# Allegro board LED_FIN.brd (continued)
## Placement (name value [footprint] x y rotation side) (continued)
D3058  0603_LED  [0603_SINGLE]  211.25 342 0 top
D3059  0603_LED  [0603_SINGLE]  213.25 342 0 top
D3060  0603_LED  [0603_SINGLE]  215.25 342 0 top
D3061  0603_LED  [0603_SINGLE]  157.25 340 0 top
D3062  0603_LED  [0603_SINGLE]  159.25 340 0 top
D3063  0603_LED  [0603_SINGLE]  161.25 340 0 top
D3064  0603_LED  [0603_SINGLE]  163.25 340 0 top
D3065  0603_LED  [0603_SINGLE]  165.25 340 0 top
D3066  0603_LED  [0603_SINGLE]  167.25 340 0 top
D3067  0603_LED  [0603_SINGLE]  169.25 340 0 top
D3068  0603_LED  [0603_SINGLE]  171.25 340 0 top
D3069  0603_LED  [0603_SINGLE]  173.25 340 0 top
D3070  0603_LED  [0603_SINGLE]  175.25 340 0 top
D3071  0603_LED  [0603_SINGLE]  177.25 340 0 top
D3072  0603_LED  [0603_SINGLE]  179.25 340 0 top
D3073  0603_LED  [0603_SINGLE]  181.25 340 0 top
D3074  0603_LED  [0603_SINGLE]  183.25 340 0 top
D3075  0603_LED  [0603_SINGLE]  185.25 340 0 top
D3076  0603_LED  [0603_SINGLE]  187.25 340 0 top
D3077  0603_LED  [0603_SINGLE]  189.25 340 0 top
D3078  0603_LED  [0603_SINGLE]  191.25 340 0 top
D3079  0603_LED  [0603_SINGLE]  193.25 340 0 top
D3080  0603_LED  [0603_SINGLE]  195.25 340 0 top
D3081  0603_LED  [0603_SINGLE]  197.25 340 0 top
D3082  0603_LED  [0603_SINGLE]  199.25 340 0 top
D3083  0603_LED  [0603_SINGLE]  201.25 340 0 top
D3084  0603_LED  [0603_SINGLE]  203.25 340 0 top
D3085  0603_LED  [0603_SINGLE]  205.25 340 0 top
D3086  0603_LED  [0603_SINGLE]  207.25 340 0 top
D3087  0603_LED  [0603_SINGLE]  209.25 340 0 top
D3088  0603_LED  [0603_SINGLE]  211.25 340 0 top
D3089  0603_LED  [0603_SINGLE]  213.25 340 0 top
D3090  0603_LED  [0603_SINGLE]  215.25 340 0 top
D3091  0603_LED  [0603_SINGLE]  157.25 338 0 top
D3092  0603_LED  [0603_SINGLE]  159.25 338 0 top
D3093  0603_LED  [0603_SINGLE]  161.25 338 0 top
D3094  0603_LED  [0603_SINGLE]  163.25 338 0 top
D3095  0603_LED  [0603_SINGLE]  165.25 338 0 top
D3096  0603_LED  [0603_SINGLE]  167.25 338 0 top
D3097  0603_LED  [0603_SINGLE]  169.25 338 0 top
D3098  0603_LED  [0603_SINGLE]  171.25 338 0 top
D3099  0603_LED  [0603_SINGLE]  173.25 338 0 top
D3100  0603_LED  [0603_SINGLE]  175.25 338 0 top
D3101  0603_LED  [0603_SINGLE]  177.25 338 0 top
D3102  0603_LED  [0603_SINGLE]  179.25 338 0 top
D3103  0603_LED  [0603_SINGLE]  181.25 338 0 top
D3104  0603_LED  [0603_SINGLE]  183.25 338 0 top
D3105  0603_LED  [0603_SINGLE]  185.25 338 0 top
D3106  0603_LED  [0603_SINGLE]  187.25 338 0 top
D3107  0603_LED  [0603_SINGLE]  189.25 338 0 top
D3108  0603_LED  [0603_SINGLE]  191.25 338 0 top
D3109  0603_LED  [0603_SINGLE]  193.25 338 0 top
D3110  0603_LED  [0603_SINGLE]  195.25 338 0 top
D3111  0603_LED  [0603_SINGLE]  197.25 338 0 top
D3112  0603_LED  [0603_SINGLE]  199.25 338 0 top
D3113  0603_LED  [0603_SINGLE]  201.25 338 0 top
D3114  0603_LED  [0603_SINGLE]  203.25 338 0 top
D3115  0603_LED  [0603_SINGLE]  205.25 338 0 top
D3116  0603_LED  [0603_SINGLE]  207.25 338 0 top
D3117  0603_LED  [0603_SINGLE]  209.25 338 0 top
D3118  0603_LED  [0603_SINGLE]  211.25 338 0 top
D3119  0603_LED  [0603_SINGLE]  213.25 338 0 top
D3120  0603_LED  [0603_SINGLE]  215.25 338 0 top
D3121  0603_LED  [0603_SINGLE]  157.25 336 0 top
D3122  0603_LED  [0603_SINGLE]  159.25 336 0 top
D3123  0603_LED  [0603_SINGLE]  161.25 336 0 top
D3124  0603_LED  [0603_SINGLE]  163.25 336 0 top
D3125  0603_LED  [0603_SINGLE]  165.25 336 0 top
D3126  0603_LED  [0603_SINGLE]  167.25 336 0 top
D3127  0603_LED  [0603_SINGLE]  169.25 336 0 top
D3128  0603_LED  [0603_SINGLE]  171.25 336 0 top
D3129  0603_LED  [0603_SINGLE]  173.25 336 0 top
D3130  0603_LED  [0603_SINGLE]  175.25 336 0 top
D3131  0603_LED  [0603_SINGLE]  177.25 336 0 top
D3132  0603_LED  [0603_SINGLE]  179.25 336 0 top
D3133  0603_LED  [0603_SINGLE]  181.25 336 0 top
D3134  0603_LED  [0603_SINGLE]  183.25 336 0 top
D3135  0603_LED  [0603_SINGLE]  185.25 336 0 top
D3136  0603_LED  [0603_SINGLE]  187.25 336 0 top
D3137  0603_LED  [0603_SINGLE]  189.25 336 0 top
D3138  0603_LED  [0603_SINGLE]  191.25 336 0 top
D3139  0603_LED  [0603_SINGLE]  193.25 336 0 top
D3140  0603_LED  [0603_SINGLE]  195.25 336 0 top
D3141  0603_LED  [0603_SINGLE]  197.25 336 0 top
D3142  0603_LED  [0603_SINGLE]  199.25 336 0 top
D3143  0603_LED  [0603_SINGLE]  201.25 336 0 top
D3144  0603_LED  [0603_SINGLE]  203.25 336 0 top
D3145  0603_LED  [0603_SINGLE]  205.25 336 0 top
D3146  0603_LED  [0603_SINGLE]  207.25 336 0 top
D3147  0603_LED  [0603_SINGLE]  209.25 336 0 top
D3148  0603_LED  [0603_SINGLE]  211.25 336 0 top
D3149  0603_LED  [0603_SINGLE]  213.25 336 0 top
D3150  0603_LED  [0603_SINGLE]  215.25 336 0 top
D3151  0603_LED  [0603_SINGLE]  157.25 334 0 top
D3152  0603_LED  [0603_SINGLE]  159.25 334 0 top
D3153  0603_LED  [0603_SINGLE]  161.25 334 0 top
D3154  0603_LED  [0603_SINGLE]  163.25 334 0 top
D3155  0603_LED  [0603_SINGLE]  165.25 334 0 top
D3156  0603_LED  [0603_SINGLE]  167.25 334 0 top
D3157  0603_LED  [0603_SINGLE]  169.25 334 0 top
D3158  0603_LED  [0603_SINGLE]  171.25 334 0 top
D3159  0603_LED  [0603_SINGLE]  173.25 334 0 top
D3160  0603_LED  [0603_SINGLE]  175.25 334 0 top
D3161  0603_LED  [0603_SINGLE]  177.25 334 0 top
D3162  0603_LED  [0603_SINGLE]  179.25 334 0 top
D3163  0603_LED  [0603_SINGLE]  181.25 334 0 top
D3164  0603_LED  [0603_SINGLE]  183.25 334 0 top
D3165  0603_LED  [0603_SINGLE]  185.25 334 0 top
D3166  0603_LED  [0603_SINGLE]  187.25 334 0 top
D3167  0603_LED  [0603_SINGLE]  189.25 334 0 top
D3168  0603_LED  [0603_SINGLE]  191.25 334 0 top
D3169  0603_LED  [0603_SINGLE]  193.25 334 0 top
D3170  0603_LED  [0603_SINGLE]  195.25 334 0 top
D3171  0603_LED  [0603_SINGLE]  197.25 334 0 top
D3172  0603_LED  [0603_SINGLE]  199.25 334 0 top
D3173  0603_LED  [0603_SINGLE]  201.25 334 0 top
D3174  0603_LED  [0603_SINGLE]  203.25 334 0 top
D3175  0603_LED  [0603_SINGLE]  205.25 334 0 top
D3176  0603_LED  [0603_SINGLE]  207.25 334 0 top
D3177  0603_LED  [0603_SINGLE]  209.25 334 0 top
D3178  0603_LED  [0603_SINGLE]  211.25 334 0 top
D3179  0603_LED  [0603_SINGLE]  213.25 334 0 top
D3180  0603_LED  [0603_SINGLE]  215.25 334 0 top
D3181  0603_LED  [0603_SINGLE]  157.25 332 0 top
D3182  0603_LED  [0603_SINGLE]  159.25 332 0 top
D3183  0603_LED  [0603_SINGLE]  161.25 332 0 top
D3184  0603_LED  [0603_SINGLE]  163.25 332 0 top
D3185  0603_LED  [0603_SINGLE]  165.25 332 0 top
D3186  0603_LED  [0603_SINGLE]  167.25 332 0 top
D3187  0603_LED  [0603_SINGLE]  169.25 332 0 top
D3188  0603_LED  [0603_SINGLE]  171.25 332 0 top
D3189  0603_LED  [0603_SINGLE]  173.25 332 0 top
D3190  0603_LED  [0603_SINGLE]  175.25 332 0 top
D3191  0603_LED  [0603_SINGLE]  177.25 332 0 top
D3192  0603_LED  [0603_SINGLE]  179.25 332 0 top
D3193  0603_LED  [0603_SINGLE]  181.25 332 0 top
D3194  0603_LED  [0603_SINGLE]  183.25 332 0 top
D3195  0603_LED  [0603_SINGLE]  185.25 332 0 top
D3196  0603_LED  [0603_SINGLE]  187.25 332 0 top
D3197  0603_LED  [0603_SINGLE]  189.25 332 0 top
D3198  0603_LED  [0603_SINGLE]  191.25 332 0 top
D3199  0603_LED  [0603_SINGLE]  193.25 332 0 top
D3200  0603_LED  [0603_SINGLE]  195.25 332 0 top
D3201  0603_LED  [0603_SINGLE]  197.25 332 0 top
D3202  0603_LED  [0603_SINGLE]  199.25 332 0 top
D3203  0603_LED  [0603_SINGLE]  201.25 332 0 top
D3204  0603_LED  [0603_SINGLE]  203.25 332 0 top
D3205  0603_LED  [0603_SINGLE]  205.25 332 0 top
D3206  0603_LED  [0603_SINGLE]  207.25 332 0 top
D3207  0603_LED  [0603_SINGLE]  209.25 332 0 top
D3208  0603_LED  [0603_SINGLE]  211.25 332 0 top
D3209  0603_LED  [0603_SINGLE]  213.25 332 0 top
D3210  0603_LED  [0603_SINGLE]  215.25 332 0 top
D3211  0603_LED  [0603_SINGLE]  157.25 330 0 top
D3212  0603_LED  [0603_SINGLE]  159.25 330 0 top
D3213  0603_LED  [0603_SINGLE]  161.25 330 0 top
D3214  0603_LED  [0603_SINGLE]  163.25 330 0 top
D3215  0603_LED  [0603_SINGLE]  165.25 330 0 top
D3216  0603_LED  [0603_SINGLE]  167.25 330 0 top
D3217  0603_LED  [0603_SINGLE]  169.25 330 0 top
D3218  0603_LED  [0603_SINGLE]  171.25 330 0 top
D3219  0603_LED  [0603_SINGLE]  173.25 330 0 top
D3220  0603_LED  [0603_SINGLE]  175.25 330 0 top
D3221  0603_LED  [0603_SINGLE]  177.25 330 0 top
D3222  0603_LED  [0603_SINGLE]  179.25 330 0 top
D3223  0603_LED  [0603_SINGLE]  181.25 330 0 top
D3224  0603_LED  [0603_SINGLE]  183.25 330 0 top
D3225  0603_LED  [0603_SINGLE]  185.25 330 0 top
D3226  0603_LED  [0603_SINGLE]  187.25 330 0 top
D3227  0603_LED  [0603_SINGLE]  189.25 330 0 top
D3228  0603_LED  [0603_SINGLE]  191.25 330 0 top
D3229  0603_LED  [0603_SINGLE]  193.25 330 0 top
D3230  0603_LED  [0603_SINGLE]  195.25 330 0 top
D3231  0603_LED  [0603_SINGLE]  197.25 330 0 top
D3232  0603_LED  [0603_SINGLE]  199.25 330 0 top
D3233  0603_LED  [0603_SINGLE]  201.25 330 0 top
D3234  0603_LED  [0603_SINGLE]  203.25 330 0 top
D3235  0603_LED  [0603_SINGLE]  205.25 330 0 top
D3236  0603_LED  [0603_SINGLE]  207.25 330 0 top
D3237  0603_LED  [0603_SINGLE]  209.25 330 0 top
D3238  0603_LED  [0603_SINGLE]  211.25 330 0 top
D3239  0603_LED  [0603_SINGLE]  213.25 330 0 top
D3240  0603_LED  [0603_SINGLE]  215.25 330 0 top
D3241  0603_LED  [0603_SINGLE]  157.25 328 0 top
D3242  0603_LED  [0603_SINGLE]  159.25 328 0 top
D3243  0603_LED  [0603_SINGLE]  161.25 328 0 top
D3244  0603_LED  [0603_SINGLE]  163.25 328 0 top
D3245  0603_LED  [0603_SINGLE]  165.25 328 0 top
D3246  0603_LED  [0603_SINGLE]  167.25 328 0 top
D3247  0603_LED  [0603_SINGLE]  169.25 328 0 top
D3248  0603_LED  [0603_SINGLE]  171.25 328 0 top
D3249  0603_LED  [0603_SINGLE]  173.25 328 0 top
D3250  0603_LED  [0603_SINGLE]  175.25 328 0 top
D3251  0603_LED  [0603_SINGLE]  177.25 328 0 top
D3252  0603_LED  [0603_SINGLE]  179.25 328 0 top
D3253  0603_LED  [0603_SINGLE]  181.25 328 0 top
D3254  0603_LED  [0603_SINGLE]  183.25 328 0 top
D3255  0603_LED  [0603_SINGLE]  185.25 328 0 top
D3256  0603_LED  [0603_SINGLE]  187.25 328 0 top
D3257  0603_LED  [0603_SINGLE]  189.25 328 0 top
D3258  0603_LED  [0603_SINGLE]  191.25 328 0 top
D3259  0603_LED  [0603_SINGLE]  193.25 328 0 top
D3260  0603_LED  [0603_SINGLE]  195.25 328 0 top
D3261  0603_LED  [0603_SINGLE]  197.25 328 0 top
D3262  0603_LED  [0603_SINGLE]  199.25 328 0 top
D3263  0603_LED  [0603_SINGLE]  201.25 328 0 top
D3264  0603_LED  [0603_SINGLE]  203.25 328 0 top
D3265  0603_LED  [0603_SINGLE]  205.25 328 0 top
D3266  0603_LED  [0603_SINGLE]  207.25 328 0 top
D3267  0603_LED  [0603_SINGLE]  209.25 328 0 top
D3268  0603_LED  [0603_SINGLE]  211.25 328 0 top
D3269  0603_LED  [0603_SINGLE]  213.25 328 0 top
D3270  0603_LED  [0603_SINGLE]  215.25 328 0 top
D3271  0603_LED  [0603_SINGLE]  157.25 326 0 top
D3272  0603_LED  [0603_SINGLE]  159.25 326 0 top
D3273  0603_LED  [0603_SINGLE]  161.25 326 0 top
D3274  0603_LED  [0603_SINGLE]  163.25 326 0 top
D3275  0603_LED  [0603_SINGLE]  165.25 326 0 top
D3276  0603_LED  [0603_SINGLE]  167.25 326 0 top
D3277  0603_LED  [0603_SINGLE]  169.25 326 0 top
D3278  0603_LED  [0603_SINGLE]  171.25 326 0 top
D3279  0603_LED  [0603_SINGLE]  173.25 326 0 top
D3280  0603_LED  [0603_SINGLE]  175.25 326 0 top
D3281  0603_LED  [0603_SINGLE]  177.25 326 0 top
D3282  0603_LED  [0603_SINGLE]  179.25 326 0 top
D3283  0603_LED  [0603_SINGLE]  181.25 326 0 top
D3284  0603_LED  [0603_SINGLE]  183.25 326 0 top
D3285  0603_LED  [0603_SINGLE]  185.25 326 0 top
D3286  0603_LED  [0603_SINGLE]  187.25 326 0 top
D3287  0603_LED  [0603_SINGLE]  189.25 326 0 top
D3288  0603_LED  [0603_SINGLE]  191.25 326 0 top
D3289  0603_LED  [0603_SINGLE]  193.25 326 0 top
D3290  0603_LED  [0603_SINGLE]  195.25 326 0 top
D3291  0603_LED  [0603_SINGLE]  197.25 326 0 top
D3292  0603_LED  [0603_SINGLE]  199.25 326 0 top
D3293  0603_LED  [0603_SINGLE]  201.25 326 0 top
D3294  0603_LED  [0603_SINGLE]  203.25 326 0 top
D3295  0603_LED  [0603_SINGLE]  205.25 326 0 top
D3296  0603_LED  [0603_SINGLE]  207.25 326 0 top
D3297  0603_LED  [0603_SINGLE]  209.25 326 0 top
D3298  0603_LED  [0603_SINGLE]  211.25 326 0 top
D3299  0603_LED  [0603_SINGLE]  213.25 326 0 top
D3300  0603_LED  [0603_SINGLE]  215.25 326 0 top
D3301  0603_LED  [0603_SINGLE]  157.25 324 0 top
D3302  0603_LED  [0603_SINGLE]  159.25 324 0 top
D3303  0603_LED  [0603_SINGLE]  161.25 324 0 top
D3304  0603_LED  [0603_SINGLE]  163.25 324 0 top
D3305  0603_LED  [0603_SINGLE]  165.25 324 0 top
D3306  0603_LED  [0603_SINGLE]  167.25 324 0 top
D3307  0603_LED  [0603_SINGLE]  169.25 324 0 top
D3308  0603_LED  [0603_SINGLE]  171.25 324 0 top
D3309  0603_LED  [0603_SINGLE]  173.25 324 0 top
D3310  0603_LED  [0603_SINGLE]  175.25 324 0 top
D3311  0603_LED  [0603_SINGLE]  177.25 324 0 top
D3312  0603_LED  [0603_SINGLE]  179.25 324 0 top
D3313  0603_LED  [0603_SINGLE]  181.25 324 0 top
D3314  0603_LED  [0603_SINGLE]  183.25 324 0 top
D3315  0603_LED  [0603_SINGLE]  185.25 324 0 top
D3316  0603_LED  [0603_SINGLE]  187.25 324 0 top
D3317  0603_LED  [0603_SINGLE]  189.25 324 0 top
D3318  0603_LED  [0603_SINGLE]  191.25 324 0 top
D3319  0603_LED  [0603_SINGLE]  193.25 324 0 top
D3320  0603_LED  [0603_SINGLE]  195.25 324 0 top
D3321  0603_LED  [0603_SINGLE]  197.25 324 0 top
D3322  0603_LED  [0603_SINGLE]  199.25 324 0 top
D3323  0603_LED  [0603_SINGLE]  201.25 324 0 top
D3324  0603_LED  [0603_SINGLE]  203.25 324 0 top
D3325  0603_LED  [0603_SINGLE]  205.25 324 0 top
D3326  0603_LED  [0603_SINGLE]  207.25 324 0 top
D3327  0603_LED  [0603_SINGLE]  209.25 324 0 top
D3328  0603_LED  [0603_SINGLE]  211.25 324 0 top
D3329  0603_LED  [0603_SINGLE]  213.25 324 0 top
D3330  0603_LED  [0603_SINGLE]  215.25 324 0 top
D3331  0603_LED  [0603_SINGLE]  157.25 322 0 top
D3332  0603_LED  [0603_SINGLE]  159.25 322 0 top
D3333  0603_LED  [0603_SINGLE]  161.25 322 0 top
D3334  0603_LED  [0603_SINGLE]  163.25 322 0 top
D3335  0603_LED  [0603_SINGLE]  165.25 322 0 top
D3336  0603_LED  [0603_SINGLE]  167.25 322 0 top
D3337  0603_LED  [0603_SINGLE]  169.25 322 0 top
D3338  0603_LED  [0603_SINGLE]  171.25 322 0 top
D3339  0603_LED  [0603_SINGLE]  173.25 322 0 top
D3340  0603_LED  [0603_SINGLE]  175.25 322 0 top
D3341  0603_LED  [0603_SINGLE]  177.25 322 0 top
D3342  0603_LED  [0603_SINGLE]  179.25 322 0 top
D3343  0603_LED  [0603_SINGLE]  181.25 322 0 top
D3344  0603_LED  [0603_SINGLE]  183.25 322 0 top
D3345  0603_LED  [0603_SINGLE]  185.25 322 0 top
D3346  0603_LED  [0603_SINGLE]  187.25 322 0 top
D3347  0603_LED  [0603_SINGLE]  189.25 322 0 top
D3348  0603_LED  [0603_SINGLE]  191.25 322 0 top
D3349  0603_LED  [0603_SINGLE]  193.25 322 0 top
D3350  0603_LED  [0603_SINGLE]  195.25 322 0 top
D3351  0603_LED  [0603_SINGLE]  197.25 322 0 top
D3352  0603_LED  [0603_SINGLE]  199.25 322 0 top
D3353  0603_LED  [0603_SINGLE]  201.25 322 0 top
D3354  0603_LED  [0603_SINGLE]  203.25 322 0 top
D3355  0603_LED  [0603_SINGLE]  205.25 322 0 top
D3356  0603_LED  [0603_SINGLE]  207.25 322 0 top
D3357  0603_LED  [0603_SINGLE]  209.25 322 0 top
D3358  0603_LED  [0603_SINGLE]  211.25 322 0 top
D3359  0603_LED  [0603_SINGLE]  213.25 322 0 top
D3360  0603_LED  [0603_SINGLE]  215.25 322 0 top
D3361  0603_LED  [0603_SINGLE]  157.25 320 0 top
D3362  0603_LED  [0603_SINGLE]  159.25 320 0 top
D3363  0603_LED  [0603_SINGLE]  161.25 320 0 top
D3364  0603_LED  [0603_SINGLE]  163.25 320 0 top
D3365  0603_LED  [0603_SINGLE]  165.25 320 0 top
D3366  0603_LED  [0603_SINGLE]  167.25 320 0 top
D3367  0603_LED  [0603_SINGLE]  169.25 320 0 top
D3368  0603_LED  [0603_SINGLE]  171.25 320 0 top
D3369  0603_LED  [0603_SINGLE]  173.25 320 0 top
D3370  0603_LED  [0603_SINGLE]  175.25 320 0 top
D3371  0603_LED  [0603_SINGLE]  177.25 320 0 top
D3372  0603_LED  [0603_SINGLE]  179.25 320 0 top
D3373  0603_LED  [0603_SINGLE]  181.25 320 0 top
D3374  0603_LED  [0603_SINGLE]  183.25 320 0 top
D3375  0603_LED  [0603_SINGLE]  185.25 320 0 top
D3376  0603_LED  [0603_SINGLE]  187.25 320 0 top
D3377  0603_LED  [0603_SINGLE]  189.25 320 0 top
D3378  0603_LED  [0603_SINGLE]  191.25 320 0 top
D3379  0603_LED  [0603_SINGLE]  193.25 320 0 top
D3380  0603_LED  [0603_SINGLE]  195.25 320 0 top
D3381  0603_LED  [0603_SINGLE]  197.25 320 0 top
D3382  0603_LED  [0603_SINGLE]  199.25 320 0 top
D3383  0603_LED  [0603_SINGLE]  201.25 320 0 top
D3384  0603_LED  [0603_SINGLE]  203.25 320 0 top
D3385  0603_LED  [0603_SINGLE]  205.25 320 0 top
D3386  0603_LED  [0603_SINGLE]  207.25 320 0 top
D3387  0603_LED  [0603_SINGLE]  209.25 320 0 top
D3388  0603_LED  [0603_SINGLE]  211.25 320 0 top
D3389  0603_LED  [0603_SINGLE]  213.25 320 0 top
D3390  0603_LED  [0603_SINGLE]  215.25 320 0 top
D3391  0603_LED  [0603_SINGLE]  157.25 318 0 top
D3392  0603_LED  [0603_SINGLE]  159.25 318 0 top
D3393  0603_LED  [0603_SINGLE]  161.25 318 0 top
D3394  0603_LED  [0603_SINGLE]  163.25 318 0 top
D3395  0603_LED  [0603_SINGLE]  165.25 318 0 top
D3396  0603_LED  [0603_SINGLE]  167.25 318 0 top
D3397  0603_LED  [0603_SINGLE]  169.25 318 0 top
D3398  0603_LED  [0603_SINGLE]  171.25 318 0 top
D3399  0603_LED  [0603_SINGLE]  173.25 318 0 top
D3400  0603_LED  [0603_SINGLE]  175.25 318 0 top
D3401  0603_LED  [0603_SINGLE]  177.25 318 0 top
D3402  0603_LED  [0603_SINGLE]  179.25 318 0 top
D3403  0603_LED  [0603_SINGLE]  181.25 318 0 top
D3404  0603_LED  [0603_SINGLE]  183.25 318 0 top
D3405  0603_LED  [0603_SINGLE]  185.25 318 0 top
D3406  0603_LED  [0603_SINGLE]  187.25 318 0 top
D3407  0603_LED  [0603_SINGLE]  189.25 318 0 top
D3408  0603_LED  [0603_SINGLE]  191.25 318 0 top
D3409  0603_LED  [0603_SINGLE]  193.25 318 0 top
D3410  0603_LED  [0603_SINGLE]  195.25 318 0 top
D3411  0603_LED  [0603_SINGLE]  197.25 318 0 top
D3412  0603_LED  [0603_SINGLE]  199.25 318 0 top
D3413  0603_LED  [0603_SINGLE]  201.25 318 0 top
D3414  0603_LED  [0603_SINGLE]  203.25 318 0 top
D3415  0603_LED  [0603_SINGLE]  205.25 318 0 top
D3416  0603_LED  [0603_SINGLE]  207.25 318 0 top
D3417  0603_LED  [0603_SINGLE]  209.25 318 0 top
D3418  0603_LED  [0603_SINGLE]  211.25 318 0 top
D3419  0603_LED  [0603_SINGLE]  213.25 318 0 top
D3420  0603_LED  [0603_SINGLE]  215.25 318 0 top
D3421  0603_LED  [0603_SINGLE]  217.25 392 0 top
D3422  0603_LED  [0603_SINGLE]  219.25 392 0 top
D3423  0603_LED  [0603_SINGLE]  221.25 392 0 top
D3424  0603_LED  [0603_SINGLE]  223.25 392 0 top
D3425  0603_LED  [0603_SINGLE]  225.25 392 0 top
D3426  0603_LED  [0603_SINGLE]  227.25 392 0 top
D3427  0603_LED  [0603_SINGLE]  229.25 392 0 top
D3428  0603_LED  [0603_SINGLE]  231.25 392 0 top
D3429  0603_LED  [0603_SINGLE]  233.25 392 0 top
D3430  0603_LED  [0603_SINGLE]  235.25 392 0 top
D3431  0603_LED  [0603_SINGLE]  237.25 392 0 top
D3432  0603_LED  [0603_SINGLE]  239.25 392 0 top
D3433  0603_LED  [0603_SINGLE]  241.25 392 0 top
D3434  0603_LED  [0603_SINGLE]  243.25 392 0 top
D3435  0603_LED  [0603_SINGLE]  245.25 392 0 top
D3436  0603_LED  [0603_SINGLE]  247.25 392 0 top
D3437  0603_LED  [0603_SINGLE]  249.25 392 0 top
D3438  0603_LED  [0603_SINGLE]  251.25 392 0 top
D3439  0603_LED  [0603_SINGLE]  253.25 392 0 top
D3440  0603_LED  [0603_SINGLE]  255.25 392 0 top
D3441  0603_LED  [0603_SINGLE]  257.25 392 0 top
D3442  0603_LED  [0603_SINGLE]  259.25 392 0 top
D3443  0603_LED  [0603_SINGLE]  261.25 392 0 top
D3444  0603_LED  [0603_SINGLE]  263.25 392 0 top
D3445  0603_LED  [0603_SINGLE]  265.25 392 0 top
D3446  0603_LED  [0603_SINGLE]  267.25 392 0 top
D3447  0603_LED  [0603_SINGLE]  269.25 392 0 top
D3448  0603_LED  [0603_SINGLE]  271.25 392 0 top
D3449  0603_LED  [0603_SINGLE]  273.25 392 0 top
D3450  0603_LED  [0603_SINGLE]  275.25 392 0 top
D3451  0603_LED  [0603_SINGLE]  217.25 390 0 top
D3452  0603_LED  [0603_SINGLE]  219.25 390 0 top
D3453  0603_LED  [0603_SINGLE]  221.25 390 0 top
D3454  0603_LED  [0603_SINGLE]  223.25 390 0 top
D3455  0603_LED  [0603_SINGLE]  225.25 390 0 top
D3456  0603_LED  [0603_SINGLE]  227.25 390 0 top
D3457  0603_LED  [0603_SINGLE]  229.25 390 0 top
D3458  0603_LED  [0603_SINGLE]  231.25 390 0 top
D3459  0603_LED  [0603_SINGLE]  233.25 390 0 top
D3460  0603_LED  [0603_SINGLE]  235.25 390 0 top
D3461  0603_LED  [0603_SINGLE]  237.25 390 0 top
D3462  0603_LED  [0603_SINGLE]  239.25 390 0 top
D3463  0603_LED  [0603_SINGLE]  241.25 390 0 top
D3464  0603_LED  [0603_SINGLE]  243.25 390 0 top
D3465  0603_LED  [0603_SINGLE]  245.25 390 0 top
D3466  0603_LED  [0603_SINGLE]  247.25 390 0 top
D3467  0603_LED  [0603_SINGLE]  249.25 390 0 top
D3468  0603_LED  [0603_SINGLE]  251.25 390 0 top
D3469  0603_LED  [0603_SINGLE]  253.25 390 0 top
D3470  0603_LED  [0603_SINGLE]  255.25 390 0 top
D3471  0603_LED  [0603_SINGLE]  257.25 390 0 top
D3472  0603_LED  [0603_SINGLE]  259.25 390 0 top
D3473  0603_LED  [0603_SINGLE]  261.25 390 0 top
D3474  0603_LED  [0603_SINGLE]  263.25 390 0 top
D3475  0603_LED  [0603_SINGLE]  265.25 390 0 top
D3476  0603_LED  [0603_SINGLE]  267.25 390 0 top
D3477  0603_LED  [0603_SINGLE]  269.25 390 0 top
D3478  0603_LED  [0603_SINGLE]  271.25 390 0 top
D3479  0603_LED  [0603_SINGLE]  273.25 390 0 top
D3480  0603_LED  [0603_SINGLE]  275.25 390 0 top
D3481  0603_LED  [0603_SINGLE]  217.25 388 0 top
D3482  0603_LED  [0603_SINGLE]  219.25 388 0 top
D3483  0603_LED  [0603_SINGLE]  221.25 388 0 top
D3484  0603_LED  [0603_SINGLE]  223.25 388 0 top
D3485  0603_LED  [0603_SINGLE]  225.25 388 0 top
D3486  0603_LED  [0603_SINGLE]  227.25 388 0 top
D3487  0603_LED  [0603_SINGLE]  229.25 388 0 top
D3488  0603_LED  [0603_SINGLE]  231.25 388 0 top
D3489  0603_LED  [0603_SINGLE]  233.25 388 0 top
D3490  0603_LED  [0603_SINGLE]  235.25 388 0 top
D3491  0603_LED  [0603_SINGLE]  237.25 388 0 top
D3492  0603_LED  [0603_SINGLE]  239.25 388 0 top
D3493  0603_LED  [0603_SINGLE]  241.25 388 0 top
D3494  0603_LED  [0603_SINGLE]  243.25 388 0 top
D3495  0603_LED  [0603_SINGLE]  245.25 388 0 top
D3496  0603_LED  [0603_SINGLE]  247.25 388 0 top
D3497  0603_LED  [0603_SINGLE]  249.25 388 0 top
D3498  0603_LED  [0603_SINGLE]  251.25 388 0 top
D3499  0603_LED  [0603_SINGLE]  253.25 388 0 top
D3500  0603_LED  [0603_SINGLE]  255.25 388 0 top
D3501  0603_LED  [0603_SINGLE]  257.25 388 0 top
D3502  0603_LED  [0603_SINGLE]  259.25 388 0 top
D3503  0603_LED  [0603_SINGLE]  261.25 388 0 top
D3504  0603_LED  [0603_SINGLE]  263.25 388 0 top
D3505  0603_LED  [0603_SINGLE]  265.25 388 0 top
D3506  0603_LED  [0603_SINGLE]  267.25 388 0 top
D3507  0603_LED  [0603_SINGLE]  269.25 388 0 top
D3508  0603_LED  [0603_SINGLE]  271.25 388 0 top
D3509  0603_LED  [0603_SINGLE]  273.25 388 0 top
D3510  0603_LED  [0603_SINGLE]  275.25 388 0 top
D3511  0603_LED  [0603_SINGLE]  217.25 386 0 top
D3512  0603_LED  [0603_SINGLE]  219.25 386 0 top
D3513  0603_LED  [0603_SINGLE]  221.25 386 0 top
D3514  0603_LED  [0603_SINGLE]  223.25 386 0 top
D3515  0603_LED  [0603_SINGLE]  225.25 386 0 top
D3516  0603_LED  [0603_SINGLE]  227.25 386 0 top
D3517  0603_LED  [0603_SINGLE]  229.25 386 0 top
D3518  0603_LED  [0603_SINGLE]  231.25 386 0 top
D3519  0603_LED  [0603_SINGLE]  233.25 386 0 top
D3520  0603_LED  [0603_SINGLE]  235.25 386 0 top
D3521  0603_LED  [0603_SINGLE]  237.25 386 0 top
D3522  0603_LED  [0603_SINGLE]  239.25 386 0 top
D3523  0603_LED  [0603_SINGLE]  241.25 386 0 top
D3524  0603_LED  [0603_SINGLE]  243.25 386 0 top
D3525  0603_LED  [0603_SINGLE]  245.25 386 0 top
D3526  0603_LED  [0603_SINGLE]  247.25 386 0 top
D3527  0603_LED  [0603_SINGLE]  249.25 386 0 top
D3528  0603_LED  [0603_SINGLE]  251.25 386 0 top
D3529  0603_LED  [0603_SINGLE]  253.25 386 0 top
D3530  0603_LED  [0603_SINGLE]  255.25 386 0 top
D3531  0603_LED  [0603_SINGLE]  257.25 386 0 top
D3532  0603_LED  [0603_SINGLE]  259.25 386 0 top
D3533  0603_LED  [0603_SINGLE]  261.25 386 0 top
D3534  0603_LED  [0603_SINGLE]  263.25 386 0 top
D3535  0603_LED  [0603_SINGLE]  265.25 386 0 top
D3536  0603_LED  [0603_SINGLE]  267.25 386 0 top
D3537  0603_LED  [0603_SINGLE]  269.25 386 0 top
D3538  0603_LED  [0603_SINGLE]  271.25 386 0 top
D3539  0603_LED  [0603_SINGLE]  273.25 386 0 top
D3540  0603_LED  [0603_SINGLE]  275.25 386 0 top
D3541  0603_LED  [0603_SINGLE]  217.25 384 0 top
D3542  0603_LED  [0603_SINGLE]  219.25 384 0 top
D3543  0603_LED  [0603_SINGLE]  221.25 384 0 top
D3544  0603_LED  [0603_SINGLE]  223.25 384 0 top
D3545  0603_LED  [0603_SINGLE]  225.25 384 0 top
D3546  0603_LED  [0603_SINGLE]  227.25 384 0 top
D3547  0603_LED  [0603_SINGLE]  229.25 384 0 top
D3548  0603_LED  [0603_SINGLE]  231.25 384 0 top
D3549  0603_LED  [0603_SINGLE]  233.25 384 0 top
D3550  0603_LED  [0603_SINGLE]  235.25 384 0 top
D3551  0603_LED  [0603_SINGLE]  237.25 384 0 top
D3552  0603_LED  [0603_SINGLE]  239.25 384 0 top
D3553  0603_LED  [0603_SINGLE]  241.25 384 0 top
D3554  0603_LED  [0603_SINGLE]  243.25 384 0 top
D3555  0603_LED  [0603_SINGLE]  245.25 384 0 top
D3556  0603_LED  [0603_SINGLE]  247.25 384 0 top
D3557  0603_LED  [0603_SINGLE]  249.25 384 0 top
D3558  0603_LED  [0603_SINGLE]  251.25 384 0 top
D3559  0603_LED  [0603_SINGLE]  253.25 384 0 top
D3560  0603_LED  [0603_SINGLE]  255.25 384 0 top
D3561  0603_LED  [0603_SINGLE]  257.25 384 0 top
D3562  0603_LED  [0603_SINGLE]  259.25 384 0 top
D3563  0603_LED  [0603_SINGLE]  261.25 384 0 top
D3564  0603_LED  [0603_SINGLE]  263.25 384 0 top
D3565  0603_LED  [0603_SINGLE]  265.25 384 0 top